# KiCad board sswkbd.kicad_pcb (continued)
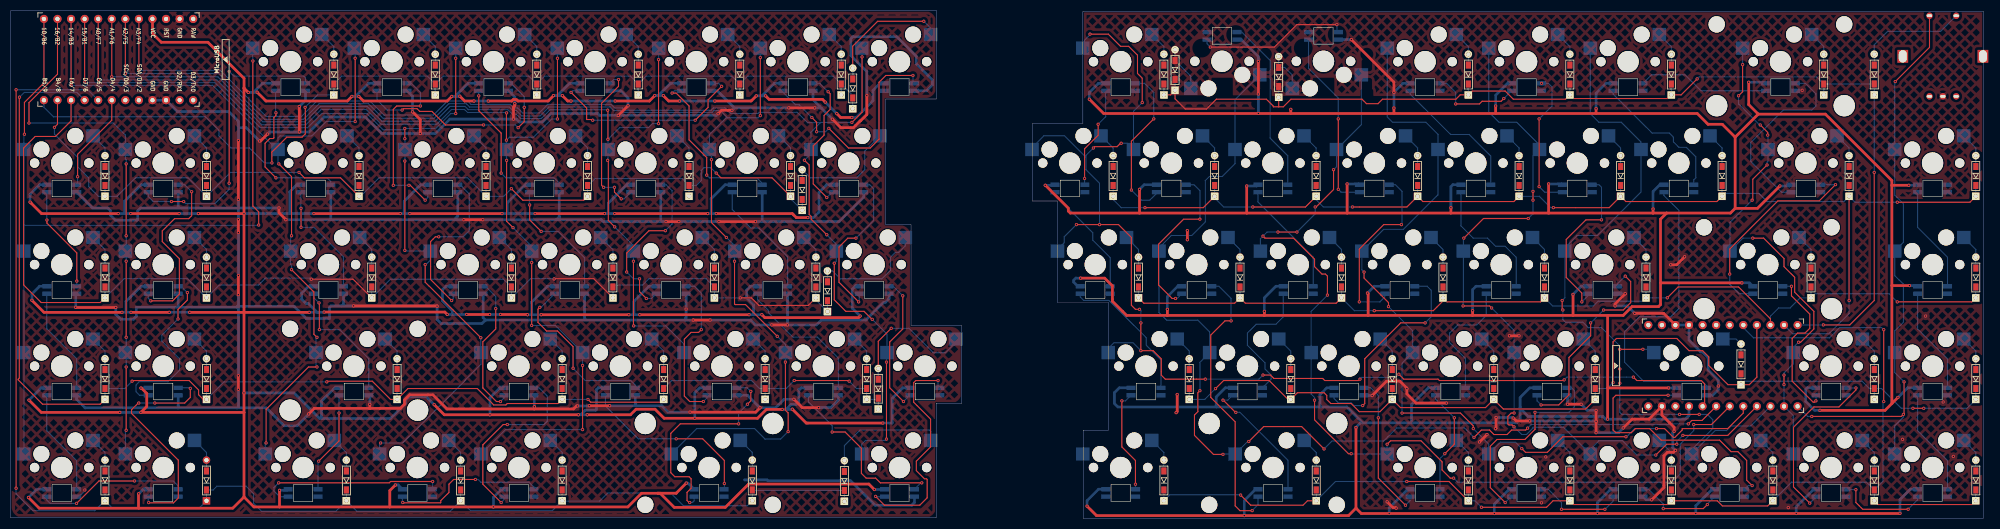
[diagram p0: board, top side]
## Nets (continued)
Net-(LED44-DOUT): LED44.2 LED45.4
Net-(LED45-DOUT): LED45.2 LED46.4
Net-(LED46-DOUT): LED46.2 LED47.4
Net-(LED47-DOUT): LED47.2 LED48.4
Net-(LED48-DOUT): LED48.2 LED49.4
Net-(LED49-DOUT): LED49.2 LED50.4
Net-(LED50-DOUT): LED50.2 LED51.4
Net-(LED51-DOUT): LED51.2 LED52.4
Net-(LED52-DOUT): LED52.2 LED53.4
Net-(LED53-DOUT): LED53.2 LED54.4
Net-(LED54-DOUT): LED54.2 LED56.4
Net-(LED55-DIN): LED55.4 LED56.2
Net-(LED55-DOUT): LED55.2 LED57.4
Net-(LED57-DOUT): LED57.2 LED58.4
Net-(LED58-DOUT): LED58.2 LED59.4
Net-(LED59-DOUT): LED59.2 LED60.4
Net-(LED60-DOUT): LED60.2 LED61.4
Net-(LED61-DOUT): LED61.2 LED62.4
Net-(LED62-DOUT): LED62.2 LED63.4
Net-(LED63-DOUT): LED63.2 LED64.4
Net-(LED64-DOUT): LED64.2 LED66.4
Net-(LED65-DIN): LED65.4 LED66.2
Net-(LED65-DOUT): LED65.2 LED67.4
Net-(LED67-DOUT): LED67.2 LED68.4
Net-(LED68-DOUT): LED68.2 LED69.4
Net-(LED69-DOUT): LED69.2 LED70.4
Net-(LED70-DOUT): LED70.2 LED71.4
Net-(LED71-DOUT): LED71.2 LED72.4
Net-(LED72-DOUT): LED72.2 LED73.4
Net-(LED73-DOUT): LED73.2 LED74.4
Net-(LED74-DOUT): LED74.2 LED75.4
Net-(LED75-DOUT): LED75.2 LED76.4
Net-(LED76-DOUT): LED76.2 LED77.4
Net-(LED77-DOUT): LED77.2 LED78.4

Pads without a net: LED38 2; LED39 4; LED78 2; SW15 A B; U1 1 2 22 24; U2 1 2 5 6 22 24

## Via types
v1: diameter 0.6, hole 0.3, Top to Bottom, 524 vias

## Routing (per net, layer and track width the routed paths; a pad name or vN(x,y) marks a point on that pad's centre or on a via; arc(x,y) is an arc through that point)
GND: length 865
  Top w0.5: v1(50.23,58.15) 50.23,57.25 v1(51.53,55.95) ; 140.33,20.75 v1(140.28,20.7) 139.48,19.9 v1(127.18,19.9) ; v1(94.13,74.8) 94.13,77.05 94.38,77.3 v1(94.38,77.7) ; v1(64.18,39.8) 79.78,39.8 v1(79.83,39.75) ; v1(42.63,45.5) v1(42.63,41.9) ; 67.23,20.6 72.95,20.6 73.73,21.38 73.73,22.2 74.68,23.15 79.03,23.15 81.68,20.5 98.03,20.5 ; 67.23,20.6 56.83,20.6 v1(55.78,19.55) ; 67.23,20.6 v1(67.23,21.35) ; v1(48.08,72) 46.78,70.7 v1(46.58,70.7) ; v1(76.68,72.1) 76.68,74.7 v1(75.22,76.15) ; v1(108.33,21.1) v1(112.14,21.1) ; v1(139.45,55.6) v1(132.59,55.6) ; v1(125.1,55.6) v1(122.68,55.6) ; v1(42.63,24.17) v1(42.63,26.71) ; v1(130.94,37.15) v1(127.76,37.15) ; 98.03,20.5 v1(98.03,20.9) ; 98.03,20.5 105.38,20.5 105.93,21.05 v1(106.13,21.05) ; v1(42.63,59.73) v1(42.63,70.78) ; v1(54.03,72.4) v1(54.03,77.15) ; v1(135.03,76.45) 133.08,76.45 v1(132.43,75.8) ; v1(115.58,77.3) 113.78,75.5 v1(113.73,75.5) ; v1(153.83,74.79) 155.41,73.2 157.78,73.2 159.03,74.45 159.08,74.45 160.28,75.65 v1(160.28,79.2) ; v1(145.67,76.9) v1(150.53,76.9) ; v1(142.49,36.24) v1(145.42,36.24) ; v1(42.63,55.95) v1(42.63,53.55) ; v1(151.26,20.75) 148.18,20.75 v1(146.63,22.3) ; v1(19.68,39.5) 12.23,39.5 v1(12.18,39.55) ; v1(88.39,55.95) v1(84.84,55.95)
  Bottom w0.2: 145.44,36.27 v1(145.42,36.24) ; v1(13.88,5.3) 13.88,5.14 12.79,4.05 LED4.3 ; 145.53,37.15 145.44,37.23 145.42,37.21
  Bottom w0.5: v1(145.42,36.24) 150.85,36.24 151.76,37.15 160.1,37.15 163.43,40.48 163.75,40.48 164.44,41.17 LED36.3 ; 83.38,55.95 v1(84.84,55.95) ; 83.38,55.95 83.38,56.3 83.69,56.62 LED18.3 ; 83.38,55.95 59.88,55.95 ; LED29.3 132.28,80.1 135.48,76.9 ; v1(42.63,24.17) 42.63,20.9 42.43,20.7 ; v1(64.18,39.8) 61.98,39.8 ; 61.98,39.8 59.98,39.8 59.68,39.5 59.68,37.45 55.33,37.45 53.05,39.73 42.45,39.73 ; 61.98,39.8 62.29,40.12 LED11.3 ; LED27.3 v1(126.44,39.2) 126.44,37.57 126.33,37.45 126.33,37.15 ; LED6.3 31.36,21.07 31.38,21.05 31.38,20.7 ; v1(19.68,39.5) 19.68,38.2 20.58,37.3 22.98,37.3 23.53,37.85 23.53,39.55 31.53,39.55 ; v1(42.63,41.9) 42.63,39.9 ; 42.63,39.9 v1(42.63,26.71) ; 42.63,39.9 42.45,39.73 ; 151.43,76.9 151.71,76.9 v1(153.83,74.79) ; 151.43,76.9 v1(150.53,76.9) ; 151.43,76.9 151.43,77.2 150.19,78.43 LED37.3 ; v1(75.22,76.15) 75.22,79.07 LED19.3 ; v1(139.45,55.6) 140.68,55.6 ; 140.68,55.6 140.69,55.62 LED30.3 ; 140.68,55.6 155.1,55.6 159.69,60.19 LED35.3 ; 121.68,55.6 121.69,55.62 LED26.3 ; 121.68,55.6 v1(122.68,55.6) ; 121.68,55.6 110.93,55.6 110.58,55.95 102.18,55.95 ; LED16.3 98.03,22.97 v1(98.03,20.9) ; v1(113.73,75.5) 113.63,75.5 ; v1(113.73,75.5) 110.23,75.5 109.88,75.85 101.18,75.85 99.58,74.25 95.23,74.25 94.68,74.8 82.23,74.8 79.53,72.1 69.48,72.1 66.38,75.2 58.68,75.2 55.88,72.4 v1(54.03,72.4) 48.48,72.4 v1(48.08,72) ; v1(113.73,75.5) 132.13,75.5 v1(132.43,75.8) ; v1(130.94,37.15) 138.53,37.15 139.45,36.24 v1(142.49,36.24) ; 117.03,21.1 121.88,21.1 123.08,19.9 v1(127.18,19.9) ; 117.03,21.1 117.03,21.4 116.94,21.48 LED23.3 ; 117.03,21.1 v1(112.14,21.1) ; 42.43,20.7 31.38,20.7 ; 42.43,20.7 47.83,20.7 51.18,17.35 53.63,17.35 55.78,19.5 v1(55.78,19.55) ; v1(12.18,39.55) 12.18,41.9 LED2.3 ; 31.38,20.7 13.93,20.7 12.36,22.27 LED3.3 ; v1(115.58,77.3) 115.58,78.75 114.23,80.1 LED28.3 ; 31.43,58.15 24.33,58.15 23.78,57.6 23.78,56 23.63,55.85 19.63,55.85 18.68,56.8 18.68,57.65 18.18,58.15 15.31,58.15 LED1.3 ; 31.43,58.15 31.36,58.22 LED8.3 ; 31.43,58.15 42.63,58.15 ; 88.88,37.15 88.44,37.58 LED17.3 ; 88.88,37.15 88.23,36.5 80.58,36.5 79.83,37.25 v1(79.83,39.75) ; 88.88,37.15 107.68,37.15 ; 126.33,37.15 107.68,37.15 ; 126.33,37.15 v1(127.76,37.15) ; 135.48,76.9 v1(145.67,76.9) ; 135.48,76.9 v1(135.03,76.45) ; LED10.3 59.92,55.99 59.88,55.95 ; v1(106.13,21.05) 108.28,21.05 v1(108.33,21.1) ; 31.53,39.55 42.28,39.55 42.45,39.73 ; 31.53,39.55 31.36,39.72 LED7.3 ; 59.88,55.95 v1(51.53,55.95) ; v1(151.26,20.75) 153.55,20.75 154.94,22.14 LED32.3 ; 42.63,58.15 v1(42.63,55.95) ; 42.63,58.15 v1(50.23,58.15) ; 42.63,58.15 v1(42.63,59.73) ; 137.38,7.2 141.58,7.2 141.73,7.05 157.23,7.05 161.83,2.45 168.68,2.45 169.19,2.97 LED33.3 ; v1(146.63,22.3) 144.78,22.3 143.18,20.7 v1(140.28,20.7) 137.93,23.05 LED25.3 ; v1(42.63,53.55) v1(42.63,45.5) ; v1(94.38,77.7) 94.38,78.92 LED20.3 ; LED38.3 171.43,80.1 172.55,81.22 172.55,82.13 169.53,85.15 169.53,86.6 165.88,90.25 157.63,90.25 157.28,89.9 157.28,86.71 160.28,83.71 v1(160.28,79.2) ; v1(125.1,55.6) v1(132.59,55.6) ; LED12.3 67.23,22.87 v1(67.23,21.35) ; v1(88.39,55.95) 102.18,55.95 ; 102.18,55.95 102.69,56.47 102.69,56.48 ; LED31.3 145.44,36.27 ; 42.63,73.2 44.08,73.2 v1(46.58,70.7) ; 42.63,73.2 42.63,74.4 40.83,76.2 31.23,76.2 U1.3 U1.4 ; 42.63,73.2 v1(42.63,70.78) ; 107.68,37.15 107.44,37.38 LED22.3 ; LED9.3 55.19,78.32 v1(54.03,77.15) ; 102.69,56.48 LED21.3 ; 102.69,56.48 102.68,56.47
GND2: length 140.9
  Top w0.5: v1(278.08,18.9) 278.08,16.9 v1(277.98,16.8) ; v1(218.38,23.2) 218.38,20 v1(218.18,19.8) ; v1(302.26,42.08) 300.35,40.17 v1(300.35,39.79) ; v1(257.68,3.1) 258.78,2 259.28,2 v1(259.38,1.9) ; v1(301.88,16.93) 303.53,18.58 306.71,18.58 U2.23 309.12,19.35 311.4,17.06 v1(311.4,16.3) ; v1(304.04,38.4) 309.47,38.4 U2.3 ; v1(294,21.38) v1(291.46,21.38) ; v1(268.78,21.6) 263.08,21.6 261.38,23.3 v1(261.38,24.3) 261.38,24.4 260.08,25.7 257.58,25.7 v1(254.88,23) ; 296.8,18.33 v1(296.8,20.24) ; 296.8,18.33 v1(296.8,16.04) ; 296.8,18.33 v1(296.8,18.17) ; v1(310.78,47.5) 311.88,47.5 v1(313.38,49) ; v1(307.21,3.47) 309.5,5.76 309.5,11.73 310.13,12.36 311.28,12.36 v1(311.66,12.74) ; v1(281.28,18.8) 281.83,18.25 v1(284.37,18.25) ; v1(220.28,53.9) v1(220.28,52.2) ; v1(280.58,34.2) v1(282.38,34.2) ; v1(274.98,14.3) v1(276.38,15.7)
  Bottom w0.5: LED54.3 291.46,22.93 v1(291.46,21.38) ; LED63.3 253.39,23 v1(254.88,23) ; LED50.3 318.63,23.05 319.68,24.1 v1(319.68,24.8) 319.68,25.9 317.78,27.8 317.78,30.1 316.68,31.2 316.38,31.2 314.2,33.38 U2.4 U2.3 ; v1(300.35,39.79) 302.64,39.79 v1(304.04,38.4) ; v1(311.66,12.74) 311.15,13.25 311.15,16.04 v1(311.4,16.3) ; v1(301.88,16.93) 300.99,16.04 v1(296.8,16.04) ; LED52.3 306.17,3.47 v1(307.21,3.47) ; v1(278.08,18.9) 281.18,18.9 v1(281.28,18.8) ; LED56.3 300.84,42.08 v1(302.26,42.08) ; v1(296.8,18.17) 296.72,18.25 v1(284.37,18.25) ; v1(294,21.38) 295.15,20.24 v1(296.8,20.24)
  vias: v1(286.58,2.9) v1(287.38,11.5) v1(332.78,2) v1(335.38,80.2) v1(354.18,14.8) v1(358.48,37.9) v1(361.78,21.8) v1(363.68,11.6)
VCC: length 1112.7
  Top w0.5: 23.93,1.9 23.93,4.55 v1(23.98,4.6) ; 23.93,1.9 5.33,1.9 v1(3.33,3.9) ; 23.93,1.9 41.58,1.9 43.68,4 ; v1(152.49,77.99) 151.98,78.5 141.98,78.5 v1(141.33,79.15) ; 43.68,38.6 v1(55.88,38.6) ; 43.68,38.6 v1(43.68,57.1) ; 43.68,38.6 v1(33.53,38.6) ; 43.68,38.6 43.68,19.85 ; v1(43.68,57.1) v1(35.13,57.1) ; v1(43.68,57.1) 43.68,80.6 ; 124.59,4.7 124.59,4.71 ; 124.59,4.71 v1(126.48,6.6) ; 124.59,4.71 121.17,4.71 121.16,4.7 ; v1(103.28,79.2) 104.29,78.19 v1(104.9,78.19) ; v1(139.58,79.15) 138.61,78.19 v1(131.83,78.19) ; 121.16,4.7 121.58,4.7 124.23,2.05 133.78,2.05 138.15,6.42 160.66,6.42 v1(161.68,5.4) ; 121.16,4.7 118.11,4.7 115.55,2.14 70.98,2.14 ; v1(84.08,79.1) 84.99,78.19 v1(86.74,78.19) ; v1(31.53,57.1) v1(22.48,57.1) ; v1(89.41,78.19) 93.8,78.19 94.07,78.45 94.69,78.45 94.95,78.19 100.61,78.19 v1(101.63,79.2) ; v1(117.78,38.15) v1(138.23,38.15) ; v1(125.22,78.19) 123.19,78.19 v1(122.18,79.2) ; v1(159.03,37.9) 158.72,37.59 141.19,37.59 v1(140.63,38.15) ; v1(24.38,24.4) 24.48,24.4 25.48,23.4 25.48,20.95 v1(24.38,19.85) 43.68,19.85 ; v1(85.38,38.2) v1(89.66,38.2) ; v1(91.69,38.2) 96.68,38.2 v1(96.73,38.15) ; 50.33,2.14 v1(50.33,5.25) ; 50.33,2.14 45.54,2.14 43.68,4 ; 50.33,2.14 70.98,2.14 ; v1(120.58,79.2) 119.56,78.19 v1(113.16,78.19) ; v1(20.83,38.6) 6.23,38.6 v1(3.98,40.85) ; v1(157.48,75.1) 155.38,75.1 v1(154.65,75.83) ; v1(107.93,19.4) 116.03,19.4 117.08,20.45 120.63,20.45 122.33,18.75 139.83,18.75 141.48,20.41 v1(144.43,20.41) ; 43.68,4 43.68,19.85 ; v1(20.13,57.1) 5.78,57.1 v1(3.63,59.25) ; v1(74.73,57.1) v1(91.98,57.1) ; v1(82.58,79.05) 81.71,78.19 66.04,78.19 v1(65.18,79.05) ; U1.21 26.54,90.85 28.19,89.2 36.93,89.2 43.69,82.43 43.69,80.61 43.68,80.6 ; v1(99.31,38.15) v1(115.73,38.15) ; v1(58.67,38.65) 81.28,38.65 v1(81.73,38.2) ; 43.68,80.6 v1(44.48,79.8) ; v1(29.68,38.6) v1(22.53,38.6) ; v1(163.28,17.85) 148.93,17.85 v1(146.33,20.45) ; v1(106.28,19.4) v1(89.73,19.4) 81.18,19.4 v1(79.28,21.3) ; 70.98,2.14 70.98,5.2 v1(72.03,6.25) ; v1(113.08,57.1) v1(130.48,57.1) ; v1(63.88,79.05) 63.01,78.19 47.79,78.19 v1(46.13,79.85) ; v1(98.17,57.1) v1(111.18,57.1) ; v1(149.23,56.35) 147.08,56.35 146.33,57.1 v1(132.08,57.1) ; v1(56.77,57.1) v1(72.93,57.1) ; v1(20.43,19.85) 5.73,19.85 v1(3.43,22.15)
  Bottom w0.2: 91.88,5.45 LED15.1
  Bottom w0.5: LED7.1 24.41,43.48 21.58,40.65 21.58,38.6 ; v1(126.48,6.6) 126.8,6.6 LED24.1 ; v1(159.03,37.9) 157.54,39.38 157.54,42.94 158.08,43.48 LED36.1 ; 131.13,57.1 v1(132.08,57.1) ; 131.13,57.1 v1(130.48,57.1) ; 131.13,57.1 131.13,59.89 133.74,62.5 LED30.1 ; v1(128.08,18.75) 128.08,23.54 128.99,24.45 LED25.1 ; LED10.1 53.56,62.5 52.23,61.17 52.23,57.1 ; v1(3.98,40.85) 3.98,42.05 5.41,43.48 LED2.1 ; LED1.1 5.41,62.5 3.63,60.72 v1(3.63,59.25) ; LED6.1 25.7,24.4 v1(24.38,24.4) ; LED12.1 60.68,24.45 58.17,21.94 58.17,18.84 58.29,18.71 ; 73.68,57.1 73.68,59.44 76.74,62.5 LED18.1 ; 73.68,57.1 v1(72.93,57.1) ; 73.68,57.1 v1(74.73,57.1) ; 140.63,79.15 v1(141.33,79.15) ; 140.63,79.15 142.98,81.5 LED37.1 ; 140.63,79.15 v1(139.58,79.15) ; LED19.1 66.98,81.5 64.53,79.05 ; 97.53,38.15 v1(99.31,38.15) ; 97.53,38.15 97.53,40.51 100.49,43.48 LED22.1 ; 97.53,38.15 v1(96.73,38.15) ; LED27.1 119.49,43.48 116.68,40.66 116.68,38.15 ; v1(3.43,22.15) 5.73,24.45 LED3.1 ; 21.58,38.6 v1(22.53,38.6) ; 21.58,38.6 v1(20.83,38.6) ; v1(154.65,75.83) v1(152.49,77.99) ; v1(23.98,4.6) 24.83,5.45 LED5.1 ; 111.88,57.1 v1(113.08,57.1) ; 111.88,57.1 v1(111.18,57.1) ; 111.88,57.1 111.88,59.05 115.33,62.5 LED26.1 ; 52.23,57.1 v1(56.77,57.1) ; 52.23,57.1 v1(43.68,57.1) ; v1(91.69,38.2) v1(89.66,38.2) ; LED33.1 163.54,5.4 v1(161.68,5.4) ; LED28.1 104.63,81.5 102.33,79.2 ; v1(3.33,3.9) 4.88,5.45 LED4.1 ; v1(120.58,79.2) 121.23,79.2 ; 121.23,79.2 123.53,81.5 LED29.1 ; 121.23,79.2 v1(122.18,79.2) ; 21.33,57.1 21.33,59.42 24.41,62.5 LED8.1 ; 21.33,57.1 v1(20.13,57.1) ; 21.33,57.1 v1(22.48,57.1) ; v1(79.28,21.3) 77.82,22.75 74.53,22.75 73.93,22.15 73.93,21.53 71.11,18.71 58.29,18.71 ; v1(24.38,19.85) v1(20.43,19.85) ; LED14.1 72.55,6.25 v1(72.03,6.25) ; 82.68,38.2 82.68,38.9 80.83,40.75 80.83,42.81 81.49,43.48 LED17.1 ; 82.68,38.2 v1(85.38,38.2) ; 82.68,38.2 v1(81.73,38.2) ; LED9.1 47.13,81.5 45.43,79.8 ; 83.18,79.05 84.03,79.05 v1(84.08,79.1) ; 83.18,79.05 v1(82.58,79.05) ; 83.18,79.05 85.63,81.5 LED20.1 ; 45.43,79.8 46.08,79.8 v1(46.13,79.85) ; 45.43,79.8 v1(44.48,79.8) ; v1(125.22,78.19) v1(131.83,78.19) ; v1(63.88,79.05) 64.53,79.05 ; 64.53,79.05 v1(65.18,79.05) ; v1(138.23,38.15) 139.08,38.15 ; 139.08,38.15 v1(140.63,38.15) ; 139.08,38.15 139.08,40 137.78,41.3 137.78,42.76 138.49,43.48 LED31.1 ; v1(149.23,56.35) 150.28,56.35 151.33,57.4 151.33,61.09 152.74,62.5 LED35.1 ; 91.88,5.45 90.38,3.95 v1(90.38,2.14) ; v1(35.13,57.1) v1(31.53,57.1) ; v1(50.33,5.25) 51.74,5.25 LED13.1 ; v1(101.63,79.2) 102.33,79.2 ; 102.33,79.2 v1(103.28,79.2) ; v1(89.73,19.4) 89.73,22.6 91.58,24.45 LED16.1 ; v1(89.41,78.19) v1(86.74,78.19) ; 106.73,19.4 v1(107.93,19.4) ; 106.73,19.4 107.58,20.25 109.48,20.25 109.66,20.43 109.66,24.12 109.99,24.45 LED23.1 ; 106.73,19.4 v1(106.28,19.4) ; 58.29,18.71 57.82,18.71 53.03,23.5 v1(43.68,23.5) ; LED38.1 162.73,81.5 161.43,80.2 161.43,78.23 158.3,75.1 v1(157.48,75.1) ; v1(115.73,38.15) 116.68,38.15 ; 116.68,38.15 v1(117.78,38.15) ; v1(55.88,38.6) 57.38,38.6 ; 57.38,38.6 58.62,38.6 v1(58.67,38.65) ; 57.38,38.6 55.73,40.25 55.28,40.25 54.48,41.05 54.48,42.2 55.76,43.48 LED11.1 ; LED21.1 96.33,62.5 92.98,59.15 92.98,57.1 ; v1(113.16,78.19) v1(104.9,78.19) ; v1(146.33,20.45) 146.28,20.41 145.43,20.41 ; 92.98,57.1 v1(98.17,57.1) ; 92.98,57.1 v1(91.98,57.1) ; 145.43,20.41 145.43,20.65 146.13,21.35 147.08,21.35 147.53,21.8 147.53,24.15 147.69,24.15 147.99,24.45 LED32.1 ; 145.43,20.41 v1(144.43,20.41) ; v1(163.28,17.85) 165.03,17.85 165.03,22.49 166.99,24.45 LED34.1 ; v1(29.68,38.6) v1(33.53,38.6)
VCC2: length 1102.8
  Top w0.5: v1(331.22,62.27) 327.02,58.08 322.83,58.08 ; v1(325.37,81.7) 325.37,77.51 327.15,75.73 ; 258.95,75.86 239.65,75.86 ; 258.95,75.86 v1(258.95,76.88) ; 258.95,75.86 278,75.86 ; 239.65,75.86 v1(239.65,76.62) ; 239.65,75.86 v1(233.58,75.86) 204.6,75.86 v1(201.93,78.53) ; 269.62,57.19 250.19,57.19 ; 269.62,57.19 v1(269.62,58.21) ; 269.62,57.19 287.91,57.19 ; 250.19,57.19 v1(250.19,62.65) ; 250.19,57.19 231.39,57.19 ; 251.85,1.91 252.86,0.9 353.66,0.9 v1(353.69,0.93) ; 251.85,1.91 250.44,0.51 203.28,0.51 v1(201.51,2.28) ; 251.85,1.91 v1(251.85,17) ; 307.47,57.19 v1(307.47,57.95) ; 307.47,57.19 287.91,57.19 ; 307.47,57.19 310.01,57.19 ; 308.86,44.11 308.86,40.05 308.48,39.67 303.53,39.67 301.88,38.02 298.96,38.02 ; 308.86,44.11 308.86,56.05 310.01,57.19 ; 308.86,44.11 v1(324.1,44.11) ; 322.83,58.08 322.83,71.42 ; 322.83,58.08 321.94,57.19 310.01,57.19 ; 322.83,71.42 320.42,73.83 317.75,73.83 315.72,75.86 296.8,75.86 ; 322.83,71.42 327.15,75.73 ; 231.39,57.19 v1(231.39,62.27) ; 231.39,57.19 211.33,57.19 ; 352.17,62.4 352.17,43.6 ; 352.17,62.4 352.17,63.29 339.72,75.73 327.15,75.73 ; 352.17,62.4 v1(355.35,62.4) ; 352.17,43.6 352.17,21.51 ; 352.17,43.6 v1(355.47,43.6) ; 278,75.86 v1(278,77.26) ; 278,75.86 296.8,75.86 ; 298.96,24.43 298.96,38.02 ; 298.96,24.43 v1(298.96,18.58) ; 298.96,24.43 v1(310.39,24.43) ; 298.96,38.02 292.48,38.02 ; 292.48,38.02 v1(292.48,41.95) ; 292.48,38.02 273.69,38.02 ; v1(233.58,85.6) v1(233.58,79.5) ; 211.33,57.19 v1(211.33,61.64) ; 211.33,57.19 198.37,57.19 197.99,57.57 197.99,58.11 193.71,62.4 v1(193.68,62.4) ; 287.91,57.19 v1(287.91,62.65) ; 216.54,38.02 v1(216.54,39.16) ; 216.54,38.02 234.7,38.02 ; 216.54,38.02 208.92,38.02 206.25,40.68 206.25,43.56 204.8,45 v1(200.28,45) ; 234.7,38.02 v1(234.7,38.78) ; 234.7,38.02 254.13,38.02 ; 254.13,38.02 254.13,42.08 v1(254,42.21) ; 254.13,38.02 273.69,38.02 ; 273.69,38.02 v1(273.69,38.9) ; 296.8,75.86 v1(296.8,76.75) ; v1(258.95,79.8) 258.95,81.73 v1(250.98,89.7) ; 352.17,21.51 v1(353.31,22.65) ; 352.17,21.51 350.9,20.24 v1(338.71,20.24)
  Bottom w0.5: 253.11,17.89 250.13,20.87 245.11,20.87 ; 253.11,17.89 252.68,17.89 251.85,17.06 v1(251.85,17) ; 253.11,17.89 262.25,17.89 ; LED52.1 299.55,5.45 297.05,2.95 v1(297.05,0.9) ; v1(278,77.26) 278,79.28 280.23,81.5 LED57.1 ; LED53.1 280.55,5.45 277.75,2.65 v1(277.75,0.9) ; v1(296.8,76.75) 296.8,79.66 298.64,81.5 LED48.1 ; v1(201.51,2.28) 201.51,3.32 203.64,5.45 LED78.1 ; LED59.1 269.98,62.5 269.62,62.15 v1(269.62,58.21) ; v1(287.91,62.65) 290.34,62.65 LED55.1 ; 262.25,17.89 262.25,21.32 265.39,24.45 LED61.1 ; 262.25,17.89 281.87,17.89 282.57,18.6 282.57,20.87 ; LED64.1 255.27,43.48 v1(254,42.21) ; LED41.1 355.12,24.45 v1(353.31,22.65) ; 282.57,20.87 282.57,22.64 284.39,24.45 LED54.1 ; 282.57,20.87 282.57,20.62 284.1,19.09 298.07,19.09 298.58,18.58 313.5,18.58 314.2,19.28 U2.21 ; v1(307.47,57.95) 307.47,61.24 308.73,62.5 LED49.1 ; v1(200.28,45) 199.39,45 199.01,44.62 199.01,44.24 199.77,43.48 LED76.1 ; v1(353.69,0.93) 353.69,3.51 355.64,5.45 LED42.1 ; LED73.1 212.19,62.5 v1(211.33,61.64) ; v1(250.98,89.7) 248.57,89.7 LED65.1 ; LED47.1 328.32,81.7 v1(325.37,81.7) ; LED74.1 203.64,81.5 201.93,79.79 v1(201.93,78.53) ; v1(315.47,0.9) 315.47,2.37 318.55,5.45 LED51.1 ; v1(233.58,85.6) 233.58,86.5 230.38,89.7 LED67.1 ; v1(355.47,43.6) 356.87,43.6 LED40.1 ; v1(250.19,62.65) 252.34,62.65 LED66.1 ; v1(273.69,38.9) 273.69,42.84 274.32,43.48 LED60.1 ; 245.11,20.87 245.11,23.17 246.39,24.45 LED63.1 ; 245.11,20.87 225.68,20.87 ; LED39.1 356.89,62.4 v1(355.35,62.4) ; LED43.1 337.55,5.45 334.26,2.16 v1(334.26,0.9) ; 225.68,20.87 207.26,20.87 206.63,21.51 206.63,23.54 207.54,24.45 LED77.1 ; 225.68,20.87 225.68,22.74 227.39,24.45 LED70.1 ; LED62.1 261.55,5.45 258.06,1.96 v1(258.06,0.9) ; LED72.1 218.48,43.48 216.54,41.53 v1(216.54,39.16) ; v1(233.58,75.86) v1(233.58,79.5) ; LED71.1 233.08,5.45 230.94,3.31 v1(230.94,0.51) ; v1(338.71,20.24) 337.69,20.24 336.04,21.89 336.04,24.17 336.32,24.45 LED44.1 ; v1(231.39,62.27) 233.26,62.27 LED68.1 ; v1(331.22,62.27) 333.04,62.27 LED46.1 ; LED58.1 260.64,81.5 258.95,79.81 v1(258.95,79.8) v1(258.95,76.88) ; v1(292.48,41.95) 294.01,43.48 LED56.1 ; LED50.1 311.86,24.43 v1(310.39,24.43) ; LED45.1 325.51,44.11 v1(324.1,44.11) ; v1(193.68,62.4) 195.39,62.4 LED75.1 ; LED69.1 236.86,43.48 234.7,41.32 v1(234.7,38.78)
col0: length 161.8
  Top w0.2: v1(46.43,54.95) 46.43,57.41 45.34,58.5 v1(45.34,85.69) ; 2.57,71.91 2.57,77.92 6.22,81.58 6.22,93.57
  Bottom w0.2: v1(46.43,54.95) 46.38,54.9 2.47,54.9 2.47,57.7 ; SW1.1 45.31,85.72 v1(45.34,85.69) ; v1(2.57,71.96) 2.47,71.86 SW16.1 2.47,57.68 ; SW65.1 2.47,56
col1: length 100.7
  Top w0.2: 21.62,52.91 v1(21.62,66.41) ; v1(21.62,16.5) 21.62,28.41 ; v1(21.62,33.91) 21.62,48.2 ; 3.43,74.01 3.43,77.89 8.76,83.23 8.76,93.57
  Bottom w0.2: v1(21.62,16.5) 21.47,16.35 SW66.1 ; v1(21.62,66.41) 21.62,67.2 21.47,67.35 SW17.1 21.47,71.81 19.23,74.06 v1(3.43,74.06) ; v1(21.62,48.18) v1(21.62,52.94) ; v1(21.62,28.36) v1(21.62,33.91)
col2: length 153.3
  Top w0.2: 64.48,74.29 v1(64.48,86.2) ; v1(47.82,14.12) 47.82,20.47 ; v1(50.2,66.41) 52.58,64.03 52.58,52.91 ; v1(52.58,46.59) 56.77,42.4 56.77,34.48 v1(57.34,33.91) ; 47.82,20.42 55.75,28.36 v1(57.34,28.36) ; v1(11.3,81.12) 11.3,93.57
  Bottom w0.2: v1(64.48,86.2) 64.48,87.93 SW2.1 ; v1(57.34,28.36) 57.16,28.54 SW51.1 57.16,33.73 v1(57.34,33.91) ; SW18.1 50.03,66.57 v1(50.2,66.41) ; SW18.1 50.03,71.25 50.43,71.65 56.38,71.65 59.07,74.34 v1(64.48,74.34) ; SW18.1 49.88,69.11 ; v1(47.82,14.12) 47.66,13.96 SW67.1 ; v1(52.58,52.94) 52.41,52.77 SW35.1 52.41,47.55 52.58,47.38 v1(52.58,46.59) ; v1(11.3,81.12) 37.81,81.12 49.88,69.06
col3: length 181.6
  Top w0.2: v1(77.6,47.54) 77.6,44.24 78.36,43.48 ; 73.79,50.18 v1(73.79,66.95) ; 83.31,75.79 v1(83.31,86.2) ; v1(88.01,33.85) 78.36,43.5 ; v1(13.84,81.72) U1.16 ; v1(73.79,71.14) v1(73.79,73.05)
  Bottom w0.2: v1(73.79,50.21) 73.91,50.08 SW36.1 78.56,48.37 77.72,47.54 v1(77.6,47.54) ; 44.07,75.79 38.23,81.63 13.94,81.63 v1(13.84,81.72) ; v1(83.31,86.2) 83.31,88.1 SW3.1 ; 44.07,75.84 46.7,73.2 55.58,73.2 58.21,75.84 66.69,75.84 69.73,72.8 73.54,72.8 v1(73.79,73.05) 79.59,73.05 82.38,75.84 v1(83.31,75.84) ; SW68.1 69.06,13.93 v1(69.25,14.12) 73.36,14.12 85.12,25.89 85.12,25.98 88.06,28.91 SW52.1 88.06,31.29 88.01,31.34 v1(88.01,33.85) ; v1(73.79,66.95) 73.79,67.33 73.81,67.35 SW19.1 73.81,71.12 v1(73.79,71.14)
col4: length 208.5
  Top w0.2: v1(92.84,67.07) 92.84,55.64 92.86,55.64 v1(94.04,54.46) ; v1(107.06,16.63) 107.06,28.69 ; v1(92.84,75.96) 92.81,75.93 v1(92.81,70.85) ; 102.36,74.77 v1(102.36,86.2) ; v1(97.54,36.14) 97.54,47.95 ; v1(16.38,82.23) U1.17
  Bottom w0.2: v1(107.06,28.64) 107.06,28.64 SW53.1 101.98,36.14 v1(97.54,36.14) ; v1(92.84,75.96) 92.76,76.04 85.54,76.04 84.98,76.6 82.53,76.6 80.03,74.1 80.03,74.05 79.83,73.85 69.33,73.85 66.58,76.6 58.13,76.6 55.28,73.75 46.98,73.75 44.2,76.53 44.2,76.55 38.61,82.14 16.48,82.14 v1(16.38,82.23) ; v1(94.04,54.46) 97.56,50.95 SW37.1 97.56,48.45 97.54,48.43 v1(97.54,47.92) ; SW69.1 92.63,16.63 v1(107.06,16.63) ; SW4.1 102.36,88.05 v1(102.36,86.2) ; v1(92.84,67.07) 92.84,67.58 92.81,67.61 SW20.1 v1(92.81,70.85) 93.37,71.41 97.89,71.41 101.3,74.82 v1(102.36,74.82)
col5: length 191.8
  Top w0.2: v1(116.63,36.05) 116.59,36.09 116.59,48.2 ; v1(111.76,76.47) 111.81,76.42 v1(111.81,71) ; v1(111.76,67.07) 111.89,66.95 111.89,55.77 111.91,55.77 v1(113.08,54.6) ; 121.29,74.26 v1(121.29,85.95) ; v1(18.92,82.74) U1.18
  Bottom w0.2: v1(113.08,54.6) 116.56,51.12 SW38.1 116.59,50.05 v1(116.59,48.18) ; v1(121.29,73.96) 120.14,73.96 119.38,73.19 114.01,73.19 v1(111.81,71) SW21.1 111.81,67.12 v1(111.76,67.07) ; v1(111.76,76.47) 111.68,76.55 100.98,76.55 99.33,74.9 95.48,74.9 94.68,75.7 93.95,75.7 93.09,76.56 85.67,76.56 85.05,77.18 82.26,77.18 79.48,74.4 69.48,74.4 66.69,77.18 57.98,77.18 55.09,74.3 47.18,74.3 44.32,77.16 44.32,77.18 38.77,82.74 v1(18.92,82.74) ; v1(121.29,85.95) 121.31,85.97 SW5.1 ; SW54.1 126.06,32.63 122.64,36.05 v1(116.63,36.05)
col6: length 244.9
  Top w0.2: 145.54,19.75 145.03,20.26 v1(145.03,29.28) ; v1(21.46,83.34) U1.19 ; v1(135.51,48.18) 135.51,40.17 135.64,40.05 137.54,40.05 ; v1(133.99,52.62) 131.19,55.41 ; 131.19,55.39 v1(131.19,67.2) ; v1(145.54,16.25) 145.54,19.8 ; 140.33,75.41 v1(140.33,86.33) ; 137.54,40.07 v1(143.51,34.1)
  Bottom w0.2: v1(131.19,67.2) 131.19,68.72 SW22.1 130.81,71.9 133.96,75.05 139.93,75.05 v1(140.33,75.46) ; v1(145.54,16.25) 144.14,14.85 141.22,14.85 139.27,16.81 128.41,16.81 SW70.1 ; 134.28,75.05 134.23,75.05 132.88,76.4 131.68,76.4 131.33,76.05 114.48,76.05 114.28,76.25 114.28,76.4 112.88,76.4 112.2,77.08 112.2,77.07 100.78,77.07 99.11,75.4 95.68,75.4 94.68,76.4 94.03,76.4 93.38,77.05 85.92,77.05 85.28,77.69 82.02,77.69 79.28,74.95 69.72,74.95 66.98,77.69 57.77,77.69 54.83,74.75 47.52,74.75 38.93,83.34 v1(21.46,83.34) ; v1(135.51,48.18) 135.51,50.03 SW39.1 135.56,51.05 v1(133.99,52.62) ; SW6.1 140.33,88.08 v1(140.33,86.33) ; v1(145.03,29.28) 145.03,31.03 SW55.1 145.06,32.55 v1(143.51,34.1)
col7: length 245
  Top w0.2: v1(157.48,74.19) 159.38,76.09 ; 161.29,37.25 159.77,38.78 156.34,38.78 154.18,40.94 v1(154.18,47.79) ; 159.38,76.04 v1(159.38,86.45) ; v1(148.59,67.1) 149.48,66.21 149.48,56.95 149.86,56.57 149.86,56.02 ; v1(152.78,53.13) 149.86,56.05 ; v1(163.96,14.85) 163.96,29.33 ; v1(24,83.94) U1.20
  Bottom w0.2: 151.64,74.14 149.17,74.14 147.24,76.07 140.1,76.07 139.88,75.85 134.78,75.85 133.73,76.9 131.58,76.9 131.13,76.45 114.79,76.45 114.53,76.72 114.53,76.9 113.03,76.9 112.38,77.55 100.53,77.55 98.93,75.95 95.83,75.95 94.88,76.9 94.18,76.9 93.53,77.55 86.18,77.55 85.53,78.2 81.78,78.2 79.13,75.55 69.88,75.55 67.23,78.2 57.33,78.2 54.38,75.25 54.33,75.3 47.83,75.3 44.96,78.17 44.96,78.2 39.22,83.94 v1(24,83.94) ; v1(157.48,74.19) 151.64,74.19 149.81,72.36 SW23.1 149.81,68.32 v1(148.59,67.1) ; v1(152.78,53.13) 154.56,51.35 SW40.1 154.56,48.17 v1(154.18,47.79) ; SW71.1 159.31,13.88 160.02,14.59 163.7,14.59 v1(163.96,14.85) ; v1(161.29,37.28) 164.06,34.51 SW56.1 163.96,30.95 v1(163.96,29.28) ; SW7.1 159.38,88.03 v1(159.38,86.45)
col_r_0: length 109.7
  Top w0.2: v1(337.19,19.09) 353.95,19.09 v1(354.33,19.47) 354.46,19.6 v1(354.46,25.57) ; v1(352.81,81.83) 359.22,88.24 SW15.S2
  Bottom w0.2: v1(354.46,25.57) 352.71,27.32 SW64.1 352.71,35.12 354.33,36.75 354.33,43.9 353.61,44.62 353.57,44.62 352.71,45.48 SW48.1 354.33,51.7 354.33,58.93 352.71,60.55 SW32.1 352.71,81.73 v1(352.81,81.83) ; v1(354.33,19.47) 354.33,18.97 352.71,17.34 SW79.1 ; v1(337.19,19.09) 336.42,19.09 U2.13
col_r_1: length 98.5
  Top w0.2: v1(323.47,79.16) 324.23,79.93 v1(324.23,85.01) ; v1(326.01,59.61) 326.14,59.73 326.14,63.54 v1(328.8,66.21) ; v1(328.93,71.8) 328.93,72.31 v1(327.53,73.7) ; v1(334.71,33) 335.09,33 337.57,35.48 337.57,38.78 333.97,42.38 333.97,45.16 331.98,47.16 331.98,48.68 328.17,52.49 v1(326.14,52.49) ; v1(331.98,25.06) v1(331.98,26.84)
  Bottom w0.2: v1(326.14,52.49) 324.27,52.49 SW47.1 321.86,55.45 v1(326.01,59.61) ; v1(328.93,71.8) 328.98,71.75 SW31.1 328.98,66.9 328.8,66.72 v1(328.8,66.21) ; v1(331.98,26.84) 331.98,27.22 333.71,28.95 SW63.1 333.71,32 v1(334.71,33) ; v1(331.98,25.06) U2.14 333.71,19.26 SW78.1 ; v1(327.53,73.7) 327.41,73.7 323.47,77.64 v1(323.47,79.16) ; v1(324.23,85.01) SW14.1
col_r_2: length 141.9
  Top w0.2: v1(316.1,19.47) v1(312.42,19.47) ; v1(290.45,40.81) 290.45,39.16 v1(290.58,39.03) ; v1(301.24,27.98) v1(301.24,25.31) ; v1(301.24,31.67) v1(305.56,31.67)
  Bottom w0.2: v1(312.42,19.47) 301.62,19.47 301.24,19.85 v1(301.24,25.31) ; v1(301.24,27.98) v1(301.24,31.67) 301.24,32.3 297.81,35.73 295.32,35.73 294.31,36.75 291.08,36.75 290.58,37.25 v1(290.58,39.03) ; v1(290.45,40.81) 290.96,41.32 SW46.1 290.96,50.71 293.24,53 297.05,53 305.21,61.15 SW30.1 305.21,70.5 301.5,74.21 297.31,74.21 295.71,75.81 SW13.1 ; U2.15 325.76,17.31 322.07,17.31 321.2,16.45 319.1,16.45 SW77.1 314.71,12.87 318.64,16.81 318.64,18.46 317.63,19.47 v1(316.1,19.47) ; SW62.1 307,31.67 v1(305.56,31.67)
col_r_3: length 151.7
  Top w0.2: v1(272.03,52.49) 275.72,56.18 v1(284.1,56.18) ; U2.16 321.44,15.54 v1(313.06,15.54) ; v1(281.43,17.14) 281.07,17.5 280.48,17.5 280.28,17.7 280.28,19.1 280.9,19.73 v1(281.46,19.73) ; v1(311.91,13.89) 310.01,13.89 v1(307.97,11.85) ; v1(277.24,39.41) 276.86,39.79 v1(271.91,39.79) ; v1(284.99,59.61) v1(284.99,61.26)
  Bottom w0.2: v1(284.99,59.61) 284.99,57.07 v1(284.1,56.18) ; v1(271.91,39.79) 271.91,40.3 271.96,40.35 SW45.1 271.96,52.42 v1(272.03,52.49) ; v1(277.24,39.41) 281.46,35.2 SW61.1 v1(281.46,19.73) ; v1(313.06,15.54) 311.91,14.39 v1(311.91,13.89) ; v1(281.43,17.14) 282.87,15.7 283.78,15.7 284.98,16.9 284.98,17.06 290.7,17.06 SW76.1 295.71,12.92 297.31,14.52 301.75,14.52 304.42,11.85 v1(307.97,11.85) ; SW12.1 276.71,76.14 278.64,74.21 281.94,74.21 286.21,69.94 SW29.1 284.99,67.89 v1(284.99,61.26)
col_r_4: length 164.8
  Top w0.2: v1(308.1,16.81) 309.63,16.81 311.28,15.16 311.53,15.16 312.93,16.55 312.93,16.81 321.44,16.81 324.36,19.73 U2.17 ; v1(260.48,19.73) 271.4,19.73 273.81,17.31 v1(273.81,16.81) ; v1(302.39,15.28) 290.58,15.28 287.65,12.36 283.59,12.36 v1(282.89,13.06) ; v1(253.37,46.14) 253.37,45 257.94,40.43 v1(257.94,39.67)
  Bottom w0.2: v1(253.37,46.14) 252.96,46.55 SW44.1 257.02,54.14 260.73,54.14 267.21,60.62 SW28.1 267.21,71.93 264.92,74.21 258.7,74.21 257.71,75.2 SW11.1 ; v1(302.39,15.28) 302.51,15.28 304.04,16.81 v1(308.1,16.81) ; v1(260.48,19.73) 260.48,29.08 SW60.1 262.46,35.15 v1(257.94,39.67) ; v1(273.81,16.81) 276.71,13.91 SW75.1 278.92,14.27 281.69,14.27 v1(282.89,13.06)
